# Altium PCB PCB1.PcbDoc
Units mm, origin at the board's own origin, x right, y up, seen from the top; angles counter-clockwise.
Board outline 113.53 x 96 mm, 2 copper layers (Top Layer, Bottom Layer); 65 components, 36 nets, 145 pads, 2 vias.
Unrouted connection lines stored in the file: 14.
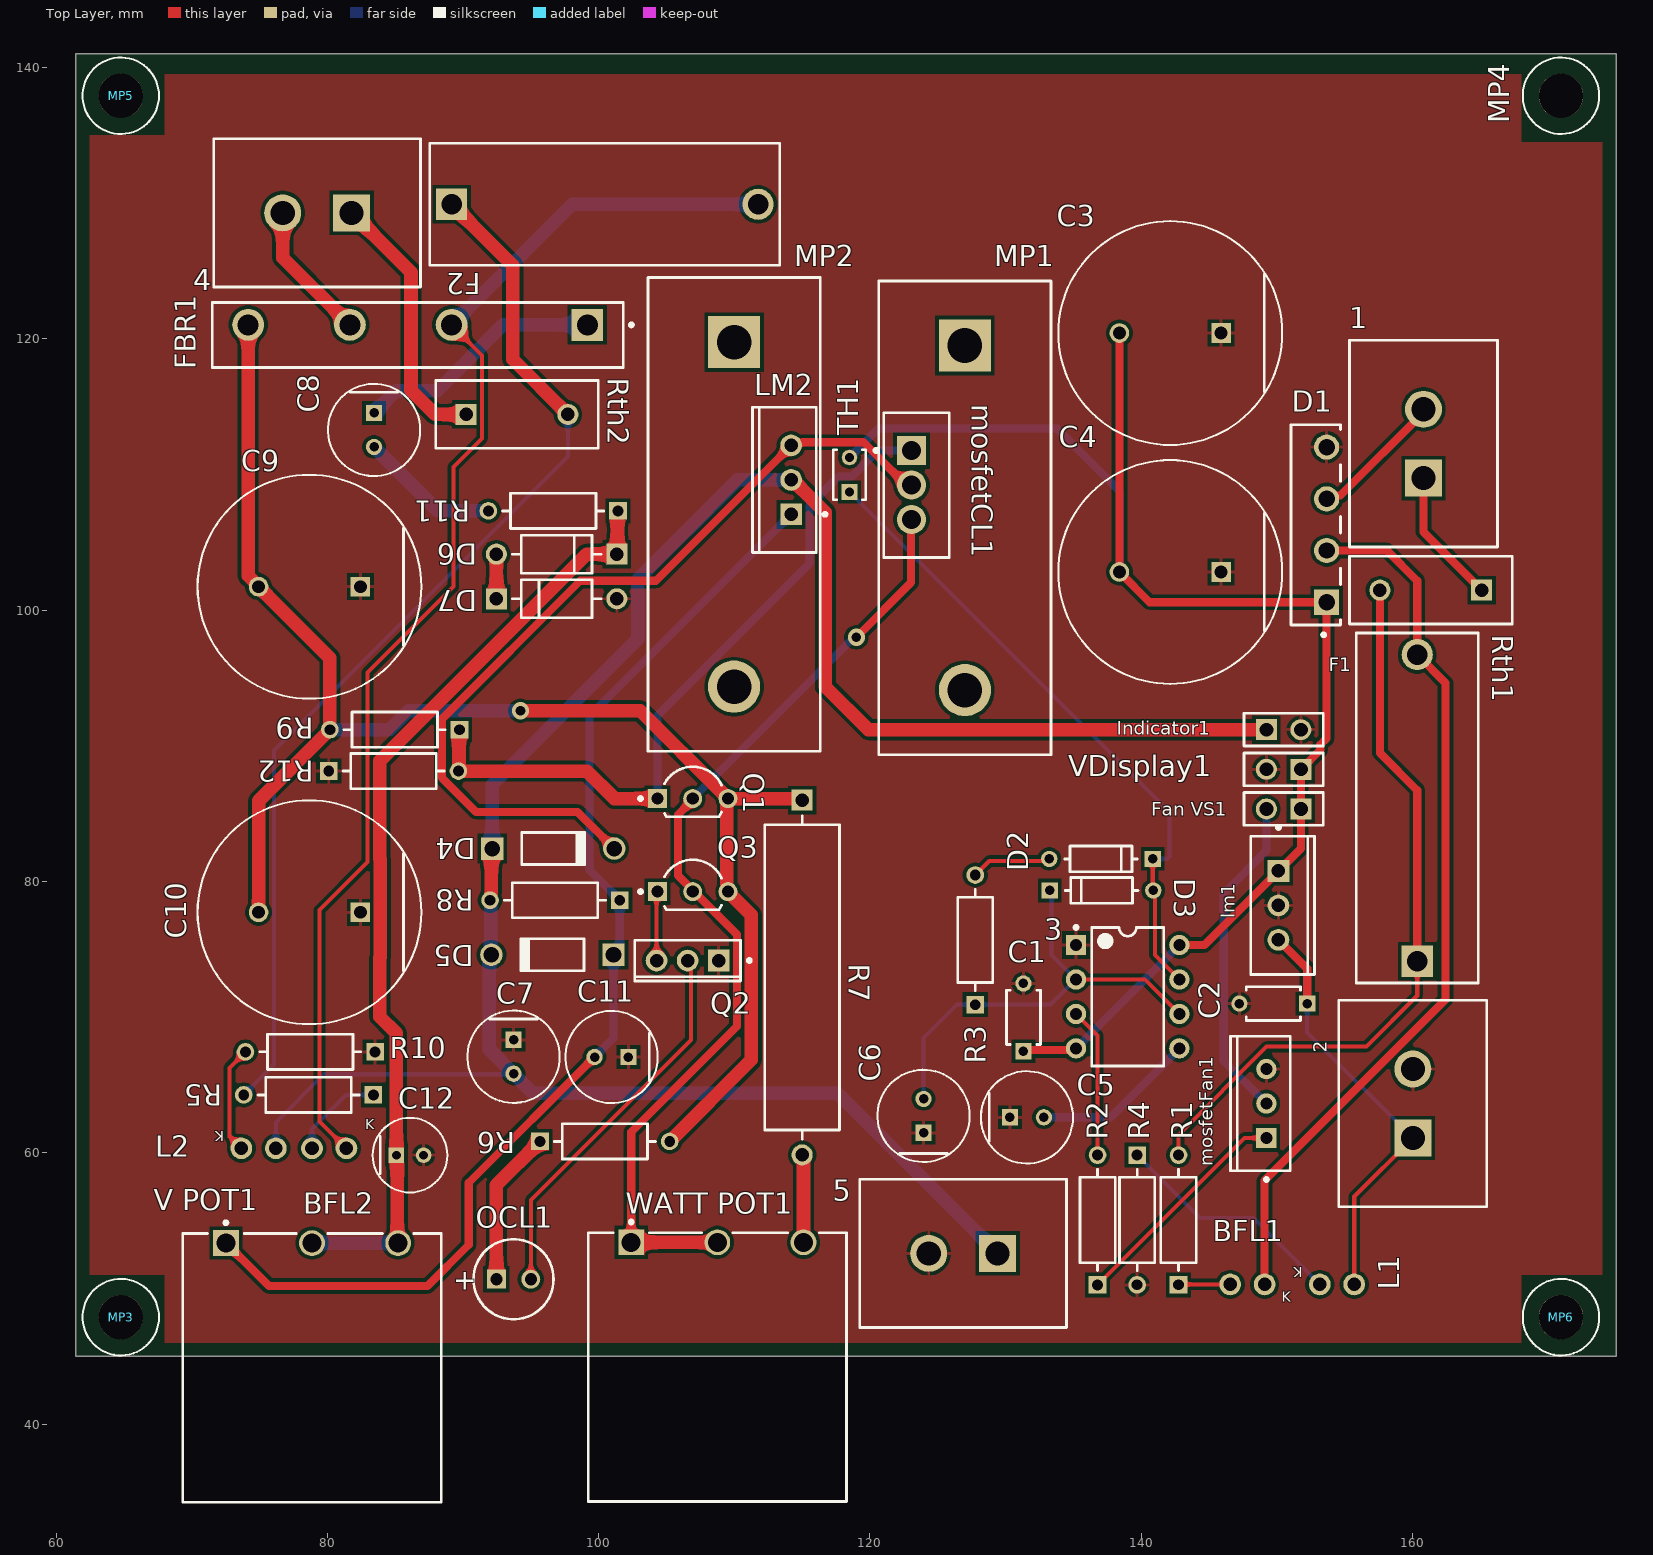
[diagram p0: Top Layer view]
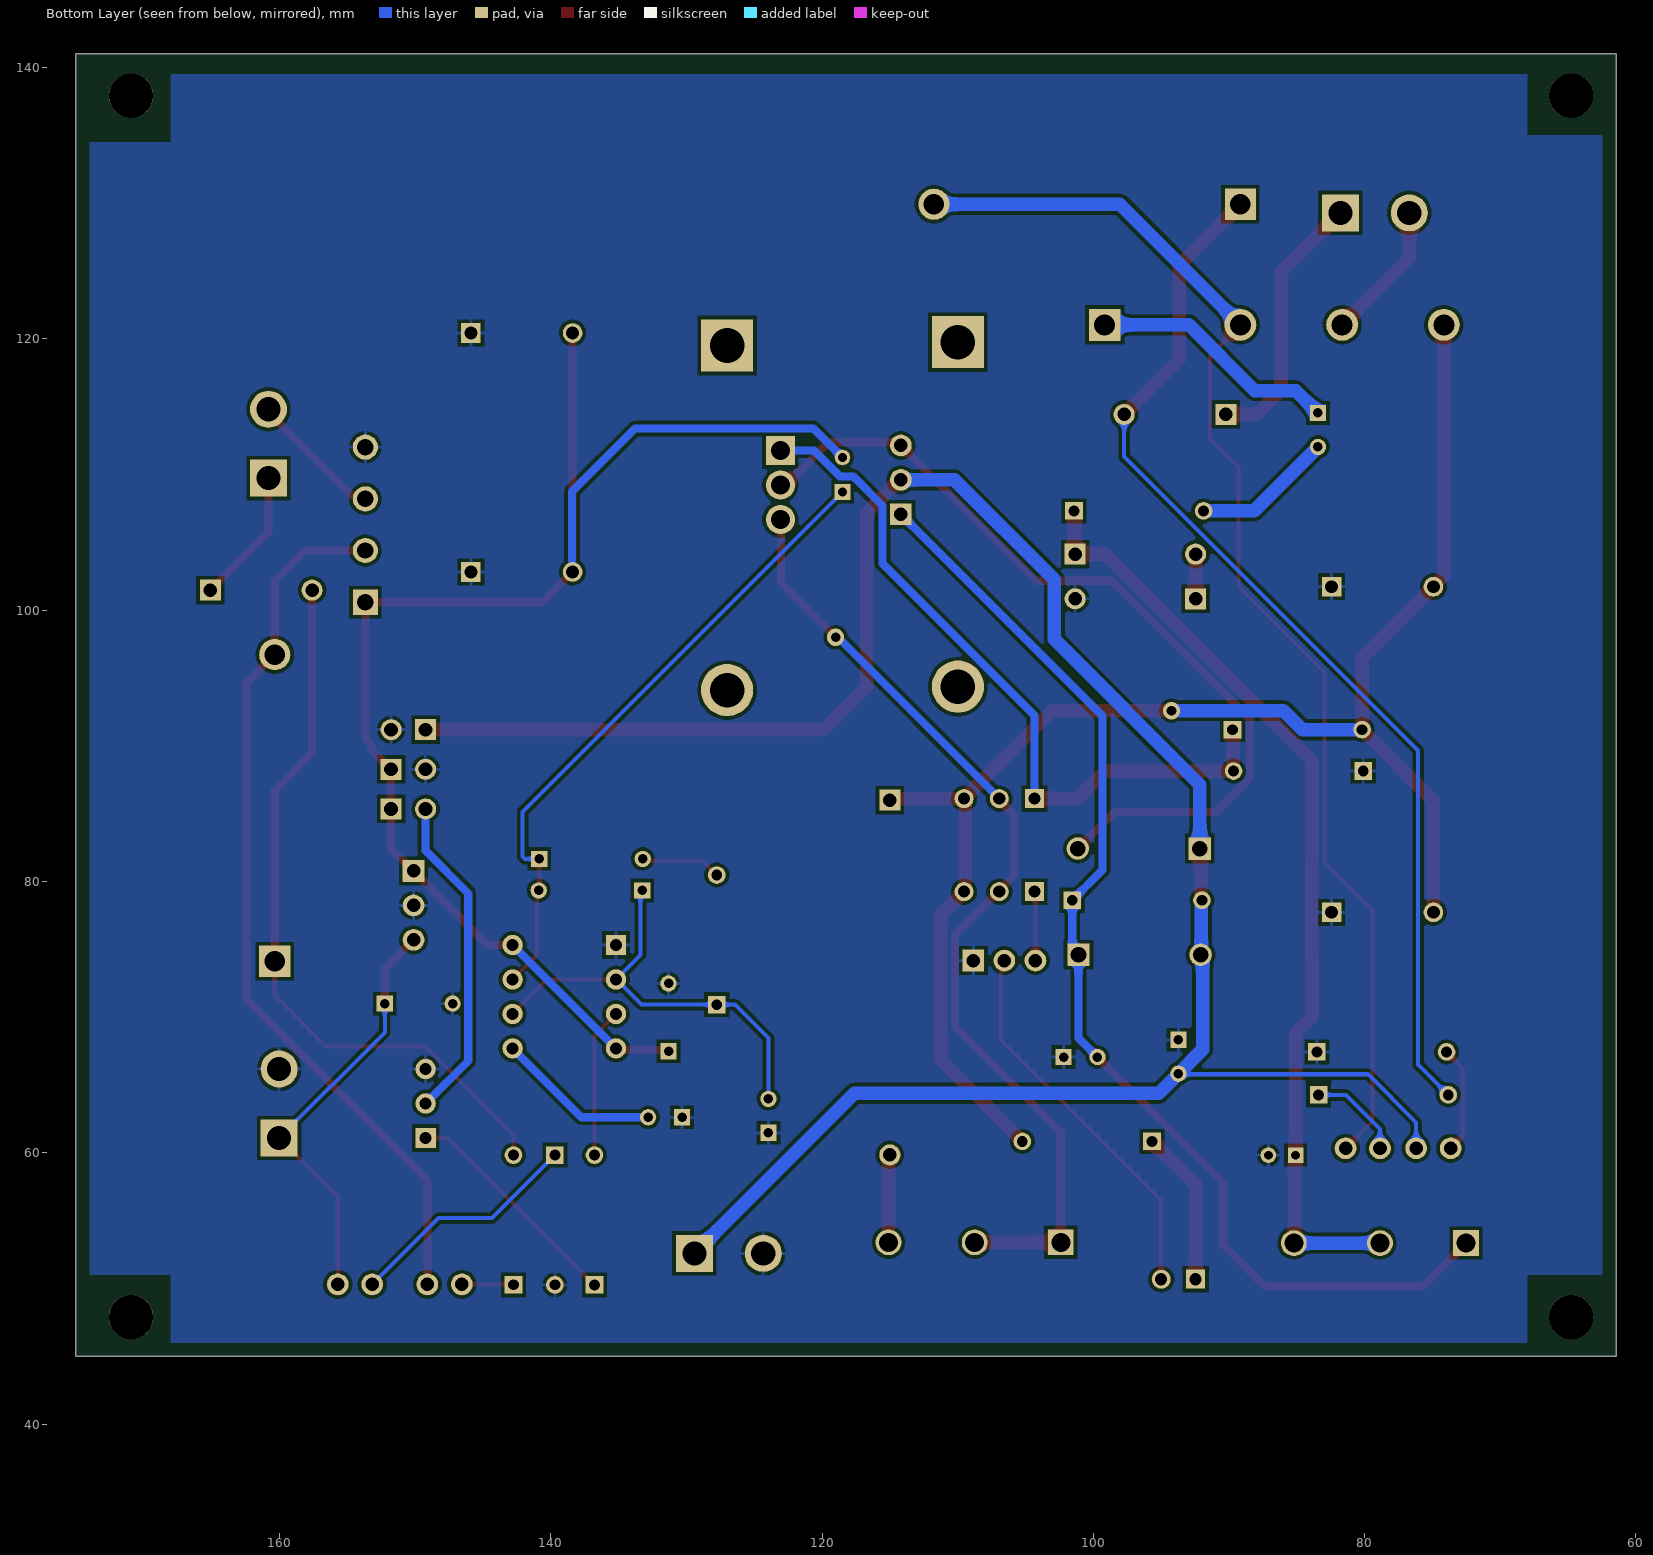
[diagram p1: Bottom Layer view, seen from below]
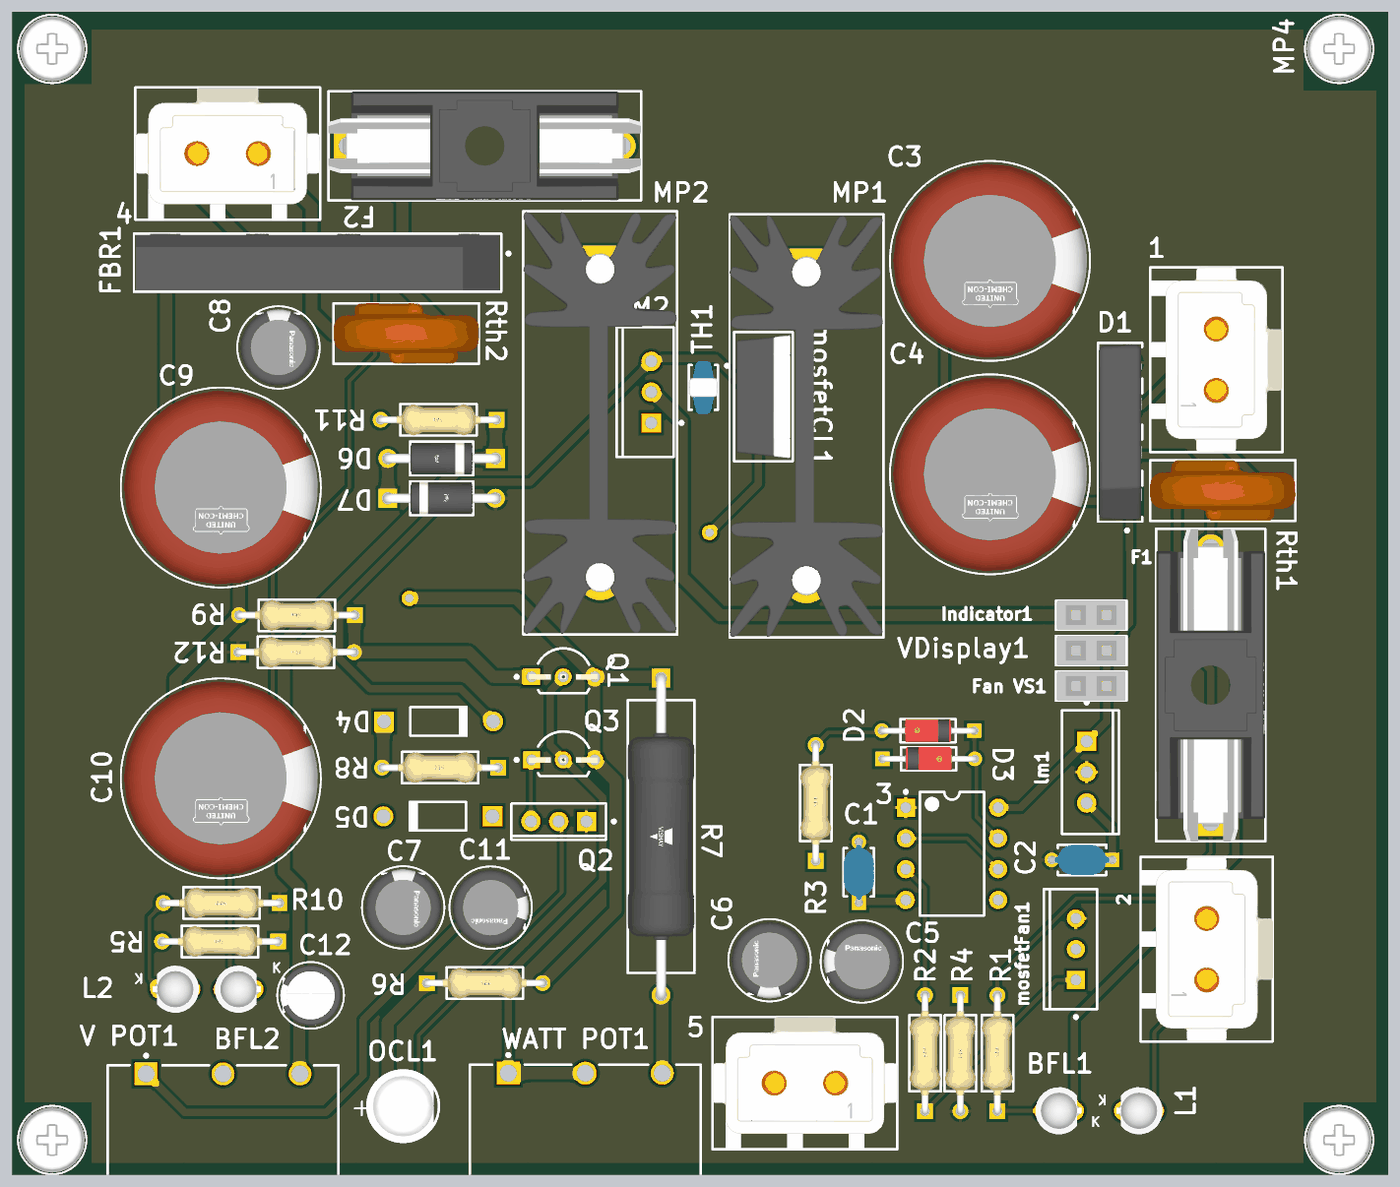
[diagram p2: 3D render of the assembled board from above, using the file's embedded part models]

## Layer stack, top to bottom
Top Solder: solder mask 0.0102, Solder Resist, Dk 3.5
Top Layer: signal copper 0.0356
Dielectric 1: dielectric 0.32, FR-4, Dk 4.8
Bottom Layer: signal copper 0.0356
Bottom Solder: solder mask 0.0102, Solder Resist, Dk 3.5

## Board outline
61.468,45 175,45 175,141 61.468,141

## Design rules (kind name [scope] priority, off if disabled: settings)
Clearance [All] p1: gap=0.254 ignorepadtopadclearanceinfootprint=FALSE except(0: Arc-Hole Track-Hole SMDPad-Hole THPad-Hole Via-Hole Fill-Hole Poly-Hole Region-Hole Text-Hole)
HoleSize [All] p1: absolutevalues=TRUE maxlimit=3.5 minlimit=0.025 maxpercent=80.000 minpercent=20.000
PolygonConnect [All] p1: connectstyle=Relief reliefconductorwidth=0.254 reliefentries=4 polygonreliefangle="90 Angle" airgapwidth=0.254
RoutingVias [All] p1: holewidth=0.711 width=1.27 viastyle="Through Hole" minholewidth=0.711 minwidth=1.27 maxholewidth=0.711 maxwidth=1.27
SolderMaskExpansion [All] p1: expansion=0.102 istentingtop=FALSE
SupplyNets "Schematic Supply Nets_3" [InNet('VEE')] p1: voltage=0.000
SupplyNets "Schematic Supply Nets_2" [InNet('GND')] p2: voltage=0.000
SupplyNets "Schematic Supply Nets" [InNet('Vcc')] p3: voltage=0.000
Width [All] p1: maxlimit=3 minlimit=0.254 preferedwidth=0.254 minimp=50.000000 maximp=50.000000 favimp=50.000000
29 further rules are at their usual default settings.

## Components (designator, comment, footprint, x,y, rotation, side; value= is the part's Value field where it differs from the comment)
1 "350539-1" FP-350539-1-MFG 160.808,112.268 r270 top
2 "350539-1" FP-350539-1-MFG 160.02,63.627 r270 top
3 "NE555P" P0008A 139.002,71.501 r0 top
4 "350539-1" FP-350539-1-MFG 79.248,129.286 r0 top
5 "350539-1" FP-350539-1-MFG 126.873,52.578 r0 top
BFL1 "Blowfuse indicator" "Type 3mm" 147.828,50.292 r0 top (schematic designator BFLED1)
BFL2 "Blown fuse indicator" "Type 3mm" 80.137,60.325 r0 top (schematic designator BFLED2)
C1 "10n" FP-RDE0M1-MFG 131.318,69.977 r90 top
C2 "10n" FP-RDE0M1-MFG 149.733,70.993 r180 top
C3 "2.2mF" FP-EGPA500ELL222ML40S-MFG 142.139,120.426 r180 top
C4 "2.2mF" FP-EGPA500ELL222ML40S-MFG 142.139,102.815 r180 top
C5 "10μF" FP-ECA-2CHG010I-MFG 131.572,62.611 r0 top
C6 "10μF" FP-ECA-2CHG010I-MFG 123.952,62.718 r90 top
C7 "10μF" FP-ECA-2CHG010I-MFG 93.726,67.076 r270 top
C8 "10μF" FP-ECA-2CHG010I-MFG 83.439,113.284 r270 top
C9 "2.2mF" FP-EGPA500ELL222ML40S-MFG 78.68,101.727 r180 top
C10 "2.2mF" FP-EGPA500ELL222ML40S-MFG 78.68,77.724 r180 top
C11 "10μF" FP-ECA-2CHG010I-MFG 100.945,67.056 r180 top
C12 "22uf" FP-RAD-TH-D_5_0_5-L_7_1-F-MFG 86.09,59.817 r0 top
D1 "KBP201G" FP-KBP-MFG 152.87,106.284 r90 top value=25pF
D2 "1N4148" FP-017AG-MFG 137.033,81.661 r180 top
D3 "1N4148" FP-017AG-MFG 137.073,79.336 r0 top
D4 "1N4002-T" DIOD-DO-41-P-2_V 96.647,82.423 r0 top
D5 "1N4002-T" DIOD-DO-41-P-2_V 96.594,74.592 r180 top
D6 "1N4007" FP-1N4007-MFG 96.901,104.126 r180 top value=15pF
D7 "1N4007" FP-1N4007-MFG 96.901,100.838 r0 top value=15pF
F1 "64600001223" FP-64600001223-MFG 160.346,85.419 r90 top
F2 "64600001223" FP-64600001223-MFG 100.457,129.921 r0 top
"Fan VS1" "SSQ-102-01-G-S" SMTC-SSQ-102-01-X-S 151.765,85.344 r180 top
FBR1 "GSIB2540-E3/45" FP-GSIB2580-E3-45-MFG 86.661,120.281 r180 top
Indicator1 "display wiring" SMTC-SSQ-102-01-X-S 149.225,91.186 r0 top
L1 "on indicator" "Type 3mm" 154.432,50.292 r180 top
L2 "on indicator" "Type 3mm" 74.93,60.325 r180 top
lm1 "LM7805ACT" FAIR-TO-220-3 150.114,78.232 r0 top
LM2 "LM338T" NDE0003A 114.187,109.601 r90 top
mosfetCL1 "IRF5210" FP-PG-TO262-3-MFG 123.44,109.22 r0 top
mosfetFan1 "IRF3205PBF" INF-PG-TO-220AB 149.225,63.627 r180 top
MP1 "513001B02500G" FP-513001B02500G-MFG 127,106.807 r270 top
MP2 "513001B02500G" FP-513001B02500G-MFG 109.982,107.061 r270 top
MP3 "9901" FP-9901-MFG 64.77,47.879 r0 top
MP4 "9901" FP-9901-MFG 170.942,137.922 r90 top
MP5 "9901" FP-9901-MFG 64.77,137.922 r0 top
MP6 "9901" FP-9901-MFG 170.942,47.879 r0 top
OCL1 "over current indicator" KING-WP7113SYD_V 93.726,50.673 r0 top (schematic designator "OC LED1")
Q1 "2n3906" ONSC-TO-92-3-29-11_AM_BL 106.934,86.106 r0 top
Q2 "2N4923G" ONSC-TO-225-3-77-09 106.557,74.168 r270 top
Q3 "2n3906" ONSC-TO-92-3-29-11_AM_BL 106.934,79.248 r0 top
R1 "450Ω" FP-CF14-MFG 142.748,55.041 r90 top
R2 "1kGmosf" FP-CF14-MFG 136.779,55.041 r90 top
R3 "1k" FP-CF14-MFG 127.762,75.692 r90 top
R4 "250Ω" FP-CF14-MFG 139.695,55.042 r270 top
R5 "1.7k" FP-CF14-MFG 78.613,64.262 r180 top
R6 "10k" FP-CF14-MFG 100.457,60.833 r0 top
R7 "0.225Ω 3W" FP-PAC03-MFG 115,72.92 r270 top
R8 "120Ω" FP-CF14-MFG 96.774,78.613 r180 top
R9 "20k" FP-CF14-MFG 84.963,91.186 r180 top
R10 "1.5k" FP-CF14-MFG 78.74,67.437 r180 top
R11 "2.2k" FP-CF14-MFG 96.647,107.315 r180 top
R12 "30k" FP-CF14-MFG 84.882,88.138 r0 top
Rth1 "NTPAA5R1LDNB0" FP-NTPAA-MFG 161.347,101.473 r180 top
Rth2 "NTPAA5R1LDNB0" FP-NTPAA-MFG 93.98,114.427 r0 top
TH1 "10k" FP-103AT-2-MFG 118.491,109.982 r90 top
"V POT1" "2.85k" BOUR-3852A-282-103AL-3_V 78.867,53.34 r0 top
VDisplay1 "SSQ-102-01-G-S" SMTC-SSQ-102-01-X-S 151.765,88.265 r180 top (schematic designator "Vs display1")
"WATT POT1" "3852A-282-103AL" BOUR-3852A-282-103AL-3_V 108.75,53.394 r0 top

## Footprints (in the part's own frame and the unit in brackets; to place one, negate y for a bottom-side part, rotate by r counter-clockwise, add the part's x,y. Pads: shape width x height; smd on the part's side, far side on the other; paste and mask are expansions set on the pad)
BOUR-3852A-282-103AL-3_V [mm] "TH, 3-Leads, Body 19.81x19.05mm, Pitch 6.35mm"
  rect 1.9x1.9 hole 1.4: 1(-6.35,0)
  round 1.9 hole 1.4: 2(0,0) 3(6.35,0)
  silkscreen extent -9.53,-19.11 9.53,1.62, body extent -9.52,-19.11 9.52,0.7, height 19.05
DIOD-DO-41-P-2_V [mm] "2-Leads, Axial Lead, Body 4.635x2.36mm, Pin Spacing 9mm"
  rect 1.65x1.65 hole 1.15: 1(-4.5,0)
  round 1.65 hole 1.15: 2(4.5,0)
  silkscreen extent -2.32,-1.18 2.32,1.18, body extent -4.93,-1.18 4.93,1.18, height 2.35
FAIR-TO-220-3 [mm] "FM, 3-Leads, Body 10.2x4.7mm, Pitch 2.54mm"
  rect 1.6x1.6 hole 1: 1(0,2.54)
  round 1.6 hole 1: 2(0,0) 3(0,-2.54)
  silkscreen extent -2.04,-5.1 2.66,5.87, body extent -2.04,-5.1 2.66,5.1, height 18.95
FP-1N4007-MFG [mm]
  rect 1.55x1.55 hole 1 paste-2539.97 mask+0: 1(-4.44,0)
  round 1.55 hole 1 paste-2539.97 mask+0: 2(4.44,0)
  silkscreen extent -3.26,-1.4 3.26,1.4, body extent -5.32,-1.5 5.32,1.5, height 0.25
FP-017AG-MFG [mm]
  rect 1.2x1.2 hole 0.7 paste-2539.97 mask+0: 1(-3.813,0)
  round 1.2 hole 0.7 paste-2539.97 mask+0: 2(3.813,0)
  silkscreen extent -2.68,-0.95 2.68,0.95, body extent -4.51,-1.05 4.51,1.05, height 0.25
FP-103AT-2-MFG [mm]
  rect 1.15x1.15 hole 0.65 paste-2539.97 mask+0: 1(-1.27,0)
  round 1.15 hole 0.65 paste-2539.97 mask+0: 2(1.27,0)
  silkscreen extent -1.85,-1.2 1.85,1.2, body extent -1.95,-1.3 1.95,1.3, height 0.25
FP-9901-MFG [mil]
  round 128.5 hole 128.5 unplated paste-99999 mask+0: ""(0,0)
  silkscreen extent -111,-111 111,111, body extent -115,-115 115,115, height 10
FP-350539-1-MFG [mil]
  rect 107.4x107.4 hole 70 paste-99999 mask+0: 1(100,0)
  round 107.4 hole 70 paste-99999 mask+0: 2(-100,0)
  silkscreen extent -300,-215 300,215, body extent -304,-219 304,219, height 10
FP-513001B02500G-MFG [mm]
  rect 3.85x3.85 hole 2.55 paste-2539.97 mask+0: 1(-12.7,0)
  round 3.85 hole 2.55 paste-2539.97 mask+0: 2(12.7,0)
  silkscreen extent -17.46,-6.35 17.46,6.35, body extent -17.56,-6.45 17.56,6.45, height 0.25
FP-64600001223-MFG [mm]
  rect 2.3x2.3 hole 1.5 paste-2539.97 mask+0: 1(-11.3,0)
  round 2.3 hole 1.5 paste-2539.97 mask+0: 2(11.3,0)
  silkscreen extent -12.9,-4.5 12.9,4.5, body extent -13,-4.6 13,4.6, height 0.25
FP-CF14-MFG [mm]
  rect 1.3x1.3 hole 0.8 paste-2539.97 mask+0: 1(-4.78,0)
  round 1.3 hole 0.8 paste-2539.97 mask+0: 2(4.78,0)
  silkscreen extent -3.73,-1.3 3.73,1.3, body extent -5.53,-1.4 5.53,1.4, height 0.25
FP-ECA-2CHG010I-MFG [mm]
  rect 1.2x1.2 hole 0.7 paste-2539.97 mask+0: 1(-1.25,0)
  round 1.2 hole 0.7 paste-2539.97 mask+0: 2(1.25,0)
  silkscreen extent -3.4,-3.4 3.4,3.4, body extent -3.5,-3.5 3.5,3.5, height 0.25
FP-EGPA500ELL222ML40S-MFG [mm]
  rect 1.45x1.45 hole 0.95 paste-2539.97 mask+0: 1(-3.75,0)
  round 1.45 hole 0.95 paste-2539.97 mask+0: 2(3.75,0)
  silkscreen extent -8.25,-8.25 8.25,8.25, body extent -8.35,-8.35 8.35,8.35, height 0.25
FP-GSIB2580-E3-45-MFG [mm]
  rect 2.35x2.35 hole 1.55 paste-2539.97 mask+0: 1(-12.5,-0.75)
  round 2.35 hole 1.55 paste-2539.97 mask+0: 2(-2.5,-0.75) 3(5,-0.75) 4(12.5,-0.75)
  silkscreen extent -15.88,-2.4 15.15,2.4, body extent -15.25,-2.5 15.25,2.5, height 0.25
FP-KBP-MFG [mm]
  rect 1.85x1.85 hole 1.2 paste-2539.97 mask+0: 1(-5.7,-0.8)
  round 1.85 hole 1.2 paste-2539.97 mask+0: 2(-1.89,-0.8) 3(1.92,-0.8) 4(5.73,-0.8)
  silkscreen extent -8.22,-1.82 7.38,1.83, body extent -7.47,-1.92 7.47,1.92, height 0.25
FP-NTPAA-MFG [mm]
  rect 1.55x1.55 hole 1 paste-2539.97 mask+0: 1(-3.75,0)
  round 1.55 hole 1 paste-2539.97 mask+0: 2(3.75,0)
  silkscreen extent -6,-2.5 6,2.5, body extent -6.1,-2.6 6.1,2.6, height 0.25
FP-PAC03-MFG [mm]
  rect 1.55x1.55 hole 1 paste-2539.97 mask+0: 1(-13.08,0)
  round 1.55 hole 1 paste-2539.97 mask+0: 2(13.08,0)
  silkscreen extent -11.9,-2.75 11.9,2.75, body extent -13.95,-2.85 13.95,2.85, height 0.25
FP-PG-TO262-3-MFG [mm]
  rect 2.15x2.15 hole 1.4 paste-2539.97 mask+0: 1(-0.377,2.54)
  round 2.15 hole 1.4 paste-2539.97 mask+0: 2(-0.377,0) 3(-0.377,-2.54)
  silkscreen extent -3.12,-5.33 2.41,5.34, body extent -2.51,-5.44 2.51,5.44, height 0.25
FP-RAD-TH-D_5_0_5-L_7_1-F-MFG [mm]
  rect 1.15x1.15 hole 0.65 paste-2539.97 mask+0: 1(-1,0)
  round 1.15 hole 0.65 paste-2539.97 mask+0: 2(1,0)
  silkscreen extent -2.75,-2.75 2.75,2.75, body extent -2.85,-2.85 2.85,2.85, height 0.25
FP-RDE0M1-MFG [mm]
  rect 1.2x1.2 hole 0.7 paste-2539.97 mask+0: 1(-2.5,0)
  round 1.2 hole 0.7 paste-2539.97 mask+0: 2(2.5,0)
  silkscreen extent -2,-1.25 2,1.25, body extent -3.2,-1.35 3.2,1.35, height 0.25
INF-PG-TO-220AB [mm] "FM, 3-Leads, Body 9.9x4.4mm, Pitch 2.54mm"
  rect 1.5x1.5 hole 0.9: 1(0,2.54)
  round 1.5 hole 0.9: 2(0,0) 3(0,-2.54)
  silkscreen extent -1.75,-4.95 2.65,5.72, body extent -1.75,-4.95 2.65,4.95, height 20.2
KING-WP7113SYD_V [mm] "THD, 2-Leads, Dia 5.9mm, Body Length 8.6mm"
  rect 1.4x1.4 hole 0.889: 1(-1.27,0)
  round 1.4 hole 0.889: 2(1.27,0)
  silkscreen extent -2.95,-2.95 2.95,2.95, body extent -2.95,-2.95 2.5,2.95, height 15.5
NDE0003A [mm] "FM, 3-Leads, Body 10.7x4.7mm, Pitch 2.54mm"
  rect 1.6x1.6 hole 1: 1(-2.54,0)
  round 1.6 hole 1: 2(0,0) 3(2.54,0)
  silkscreen extent -5.35,-2.63 5.35,2.85, body extent -5.4,-1.9 5.4,2.9, height 19.4
ONSC-TO-92-3-29-11_AM_BL [mm] "TO, 3-Leads, Body Dia 4.7mm, Pitch 2.6mm"
  rect 1.4x1.4 hole 0.9: 1(-2.6,0)
  round 1.4 hole 0.9: 2(0,0) 3(2.6,0)
  silkscreen extent -3.97,-1.34 2.13,2.35, body extent -2.84,-1.34 2.84,2.35, height 5.33
ONSC-TO-225-3-77-09 [mm] "FM, 3-Leads, Body 7.8x3mm, Pitch 2.29mm"
  rect 1.6x1.6 hole 1: 1(0,2.29)
  round 1.6 hole 1: 2(0,0) 3(0,-2.29)
  silkscreen extent -1.49,-3.9 1.51,4.68, body extent -1.49,-3.9 1.51,3.9, height 13.64
P0008A [mm] "DIP, 8-Leads, Body 10.15x6.6mm, Pitch 2.54mm"
  rect 1.5x1.5 hole 0.9: 1(-3.81,3.81)
  round 1.5 hole 0.9: 2(-3.81,1.27) 3(-3.81,-1.27) 4(-3.81,-3.81) 5(3.81,-3.81) 6(3.81,-1.27) 7(3.81,1.27) 8(3.81,3.81)
  silkscreen extent -3.93,-5.1 2.65,5.23, body extent -3.95,-5.07 3.95,5.07, height 5.08
SMTC-SSQ-102-01-X-S [mm] "SQ Post Socket, 1x2 Pins, Vertical, 2.54mm Pitch, Female"
  rect 1.55x1.55 hole 1.02: 1(0,0)
  round 1.55 hole 1.02: 2(2.54,0)
  silkscreen extent -1.65,-1.2 4.19,1.2, body extent -1.52,-1.21 4.06,1.21, height 8.51
"Type 3mm" [mm] "THT, LED-3mm, 2pin- Body 4.15mm(max)"
  round 1.6 hole 1: 1(1.27,0) 2(-1.27,0)
  body extent -1.93,-1.94 1.87,1.94, height 10.5
